# KiCad board jetson-agx-thor-baseboard.kicad_pcb (continued)
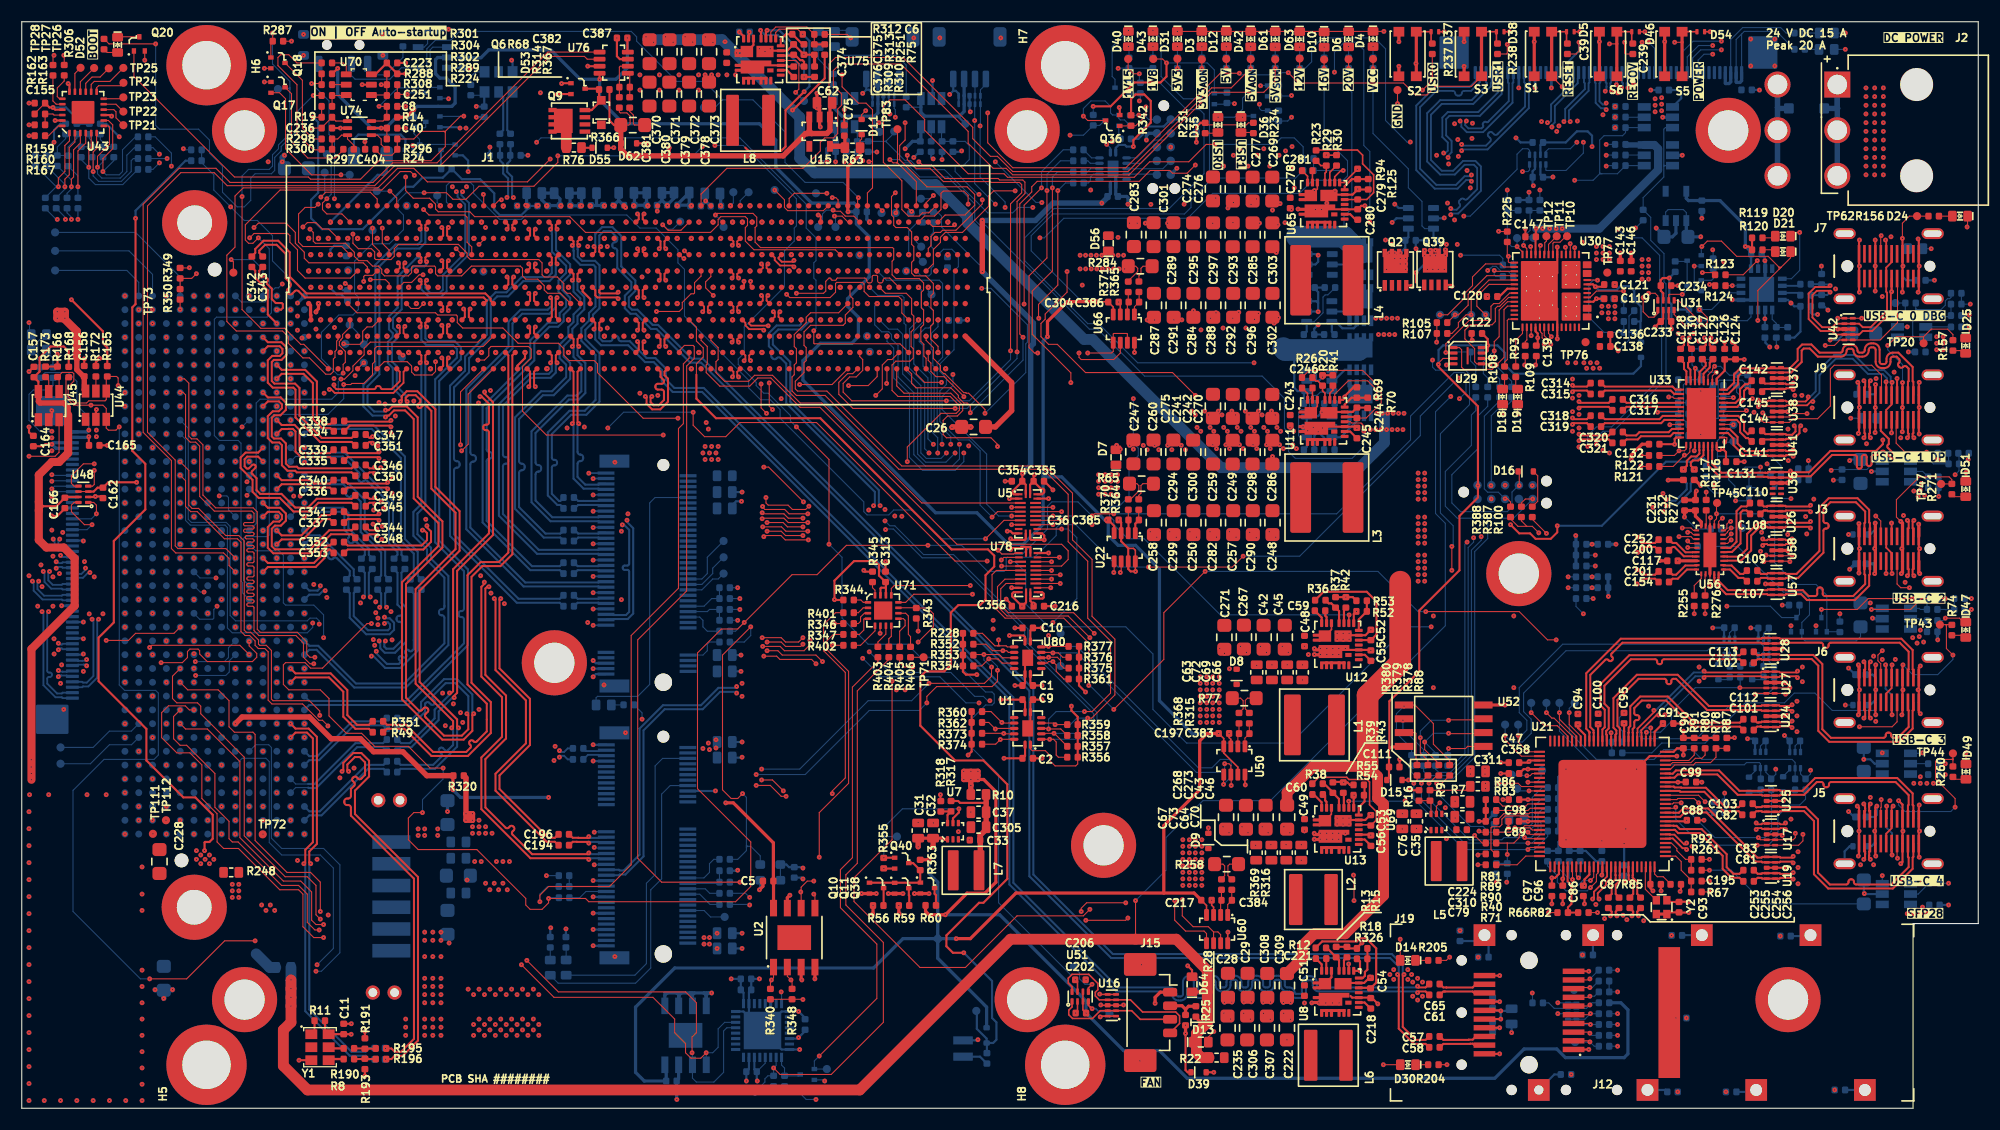
[diagram p0: board, top side]
## Routing (per net, layer and track width the routed paths; a pad name or vN(x,y) marks a point on that pad's centre or on a via; arc(x,y) is an arc through that point) (continued)
/M.2/M2_E.W_DIS_1: length 71.5
  Top w0.1: U5.19 v1(94.87,55.31)
  In5.Cu w0.1: v1(94.87,55.31) 95.37,55.81 95.37,59.16 94.62,59.91 90.17,59.91 89.77,59.51 89.77,52.41 89.37,52.01 89.37,51.11 89.57,50.91 89.57,50.41 89.77,50.21 89.77,44.51 v1(89.37,44.11)
  In7.Cu w0.1: v1(89.37,44.11) 89.07,44.41 81.57,44.41 79.92,42.76 78.12,42.76 75.97,40.61 75.97,38.81 74.77,37.61 74.77,31.21 70.27,26.71 70.27,19.81 69.17,18.71 v1(66.97,18.71)
  Bottom w0.1: v1(66.97,18.71) 66.92,18.76 R264.2
/M.2/M2_E.W_DIS_2: length 72.8
  Top w0.1: U5.18 v1(95.67,54.91)
  In5.Cu w0.1: v1(95.67,54.91) 95.67,59.46 94.77,60.36 90.07,60.36 88.72,59.01 88.72,53.41 89.12,53.01 89.12,50.96 89.37,50.71 v1(89.37,44.91)
  In7.Cu w0.1: v1(89.37,44.91) 89.17,44.71 81.45,44.71 79.96,43.22 78.18,43.22 75.56,40.6 75.56,38.82 74.52,37.78 74.52,31.71 69.97,27.16 69.97,20.21 69.17,19.41 v1(66.97,19.41)
  Bottom w0.1: v1(66.97,19.41) 66.59,19.78 R226.2
/M.2/M2_E_PET0_N: length 3.7
  Top w0.19: v1(52.17,25) 52.05,24.89 51.22,24.89 51.21,24.9 50.69,24.9 50.37,25.21 C196.2
  Bottom w0.19: v1(52.17,25) 52.28,24.89 53.09,24.89 53.16,24.95 J14.35
/M.2/M2_E_PET0_P: length 3.7
  Top w0.19: v1(52.17,24.4) 52.05,24.52 51.08,24.52 51.07,24.53 50.69,24.53 50.37,24.21 C194.2
  Bottom w0.19: v1(52.17,24.4) 52.28,24.52 53.09,24.52 53.16,24.45 J14.37
/M.2/M2_E_SUSCLK: length 4.1
  Bottom w0.1: R223.1 63.67,22.91 63.27,22.51 63.27,21.71 62.76,21.2 J14.50
/M.2/M2_E_W_DIS_1: length 3.3
  Bottom w0.1: R264.1 63.32,18.76 62.38,19.7 J14.56
/M.2/M2_E_W_DIS_2: length 3.1
  Bottom w0.1: R226.1 63.29,19.78 62.88,20.2 J14.54
/M.2/M2_M_PET0_N: length 3.1
  Bottom w0.19: C185.2 50.82,47.21 51.14,46.9 53.06,46.9 53.13,46.96 J13.47
/M.2/M2_M_PET0_P: length 3.1
  Bottom w0.19: J13.49 53.13,46.46 53.06,46.53 51.14,46.53 50.82,46.21 C181.2
/M.2/M2_M_PET1_N: length 3.1
  Bottom w0.19: C186.2 50.82,49.21 51.14,49.53 53.06,49.53 53.13,49.46 J13.37
/M.2/M2_M_PET1_P: length 3.1
  Bottom w0.19: J13.35 53.13,49.96 53.06,49.9 51.14,49.9 50.82,50.21 C182.2
/M.2/M2_M_PET2_N: length 3.1
  Bottom w0.19: J13.25 53.13,52.46 53.06,52.53 51.19,52.53 50.87,52.21 50.85,52.21
/M.2/M2_M_PET2_P: length 3.1
  Bottom w0.19: 50.85,53.21 50.87,53.21 51.19,52.9 53.06,52.9 53.13,52.96 J13.23
/M.2/M2_M_PET3_N: length 3.1
  Bottom w0.19: 50.85,56.21 50.87,56.21 51.19,55.9 51.73,55.9 51.73,55.9 53.06,55.9 53.13,55.96 53.75,55.96
/M.2/M2_M_PET3_P: length 3.1
  Bottom w0.19: 50.85,55.21 50.87,55.21 51.19,55.53 51.87,55.53 53.06,55.53 53.13,55.46 53.75,55.46
/M.2/M2_M_SMB_CLK: length 5.6
  Bottom w0.1: J13.40 62.57,48.71 63.07,49.21 63.07,50.71 TP38.1
/M.2/M2_M_SMB_DATA: length 4.6
  Bottom w0.1: J13.42 62.57,48.21 63.57,49.21 63.57,49.71 TP37.1
/M.2/M2_M_SUSCLK: length 3.7
  Bottom w0.1: R212.1 63.27,42.91 63.07,42.71 63.07,42.11 62.67,41.71 J13.68
/M.2/PCIe_{C1x1}.CLK+: length 73.9
  In7.Cu w0.15: v1(78.97,55.46) 78.81,55.3 78.81,52.25 70.51,43.95 70.51,40.47 69.03,38.99 68.05,38.99 67.43,38.37 65.93,38.37 v1(65.77,38.21)
  Bottom w0.19: v1(72.6,72.56) 71.72,71.68 69.6,71.68 69.1,71.18 69.1,70.29 70.7,68.69 70.7,65.04 78.85,56.89 78.85,55.58 v1(78.97,55.46) ; v1(65.77,38.21) 65.65,38.33 64.25,38.33 62.65,36.73 59.15,36.73 57.2,34.78 57.2,23.18 55.54,21.52 55.01,21.52 54.94,21.45 J14.49
/M.2/PCIe_{C1x1}.CLK-: length 73.9
  In7.Cu w0.15: v1(78.37,55.46) 78.53,55.3 78.53,52.37 70.23,44.07 70.23,40.59 68.91,39.27 67.93,39.27 67.31,38.65 65.93,38.65 v1(65.77,38.81)
  Bottom w0.19: J14.47 54.94,21.95 55.01,21.89 55.38,21.89 56.83,23.34 56.83,34.94 58.99,37.1 62.49,37.1 64.09,38.7 65.65,38.7 v1(65.77,38.81) ; v1(78.37,55.46) 78.48,55.58 78.48,56.73 70.33,64.88 70.33,68.53 69.82,69.05 arc(69.65,69.12) 69.48,69.05 69.43,69 arc(69.26,68.93) 69.09,69 69.01,69.09 arc(68.94,69.26) 69.01,69.43 69.05,69.47 arc(69.12,69.64) 69.05,69.81 68.73,70.13 68.73,71.34 69.44,72.05 71.56,72.05 71.7,72.18 v1(71.7,72.56)
/M.2/PCIe_{C1x1}.RX0+: length 77.4
  Top w0.19: v1(42.98,48) 42.82,48 42.65,47.83 42.65,39.89 44.55,37.99 44.55,34.03 42.65,32.13 42.65,27.69 44.51,25.83 arc(44.66,25.77) 44.8,25.83 44.92,25.95 arc(45.06,26) 45.2,25.95 45.27,25.88 arc(45.33,25.73) 45.27,25.59 45.15,25.47 arc(45.09,25.33) 45.15,25.19 46.96,23.39 52.05,23.39 v1(52.17,23.5) ; v1(57.25,70.56) 57.14,70.45 57.14,69.83 J1.B33
  In7.Cu w0.15: v1(42.98,48) 42.98,48.23 43.21,48.45 43.21,62.05 45.53,64.37 48.23,64.37 49.51,65.65 49.51,66.95 50.93,68.37 52.03,68.37 52.7,69.05 arc(52.8,69.09) 52.9,69.05 53.11,68.84 arc(53.21,68.8) 53.31,68.84 53.36,68.89 arc(53.4,68.99) 53.36,69.09 53.15,69.29 arc(53.11,69.39) 53.15,69.49 53.2,69.54 arc(53.3,69.58) 53.39,69.54 53.57,69.37 arc(53.67,69.33) 53.77,69.37 53.81,69.42 arc(53.86,69.52) 53.81,69.62 53.64,69.79 arc(53.6,69.89) 53.64,69.99 54.31,70.65 54.31,71.15 55.01,71.85 55.01,72.55 55.53,73.07 56.71,73.07 58.03,71.75 58.03,70.47 57.51,69.95 57.33,69.95 57.09,70.19 57.09,70.4 v1(57.25,70.56)
  Bottom w0.19: J14.41 53.16,23.45 53.09,23.39 52.28,23.39 v1(52.17,23.5)
/M.2/PCIe_{C1x1}.RX0-: length 77.4
  Top w0.19: J1.B32 56.77,69.83 56.77,70.45 v1(56.65,70.56) ; v1(42.56,48.42) 42.56,48.26 42.28,47.99 42.28,39.73 44.18,37.83 44.18,34.19 42.28,32.29 42.28,27.53 46.8,23.02 52.05,23.02 v1(52.17,22.9)
  In7.Cu w0.15: v1(42.56,48.42) 42.79,48.42 42.93,48.57 42.93,62.17 45.41,64.65 48.11,64.65 49.23,65.77 49.23,67.07 50.81,68.65 51.91,68.65 54.03,70.77 54.03,71.27 54.73,71.97 54.73,72.67 55.41,73.35 56.83,73.35 58.31,71.87 58.31,70.35 57.63,69.67 57.21,69.67 56.81,70.07 56.81,70.4 v1(56.65,70.56)
  Bottom w0.19: v1(52.17,22.9) 52.28,23.02 53.09,23.02 53.16,22.95 J14.43
/M.2/PCIe_{C1x1}.TX0+: length 73
  Top w0.19: v1(59.25,76.21) 59.14,76.33 59.14,76.8 J1.G35 ; C194.1 49.36,24.21 49.05,24.53 48.29,24.53 43.58,29.23 43.58,30.79 46.38,33.59 46.38,37.53 43.58,40.33 43.58,46.8 v1(43.47,46.91)
  In7.Cu w0.15: v1(43.47,46.91) 43.63,46.75 43.63,46.57 43.41,46.35 42.83,46.35 42.51,46.66 arc(42.48,46.75) 42.51,46.84 arc(42.55,46.94) 42.51,47.03 42.45,47.09 arc(42.36,47.13) 42.27,47.09 arc(42.17,47.05) 42.08,47.09 41.71,47.47 41.71,61.95 45.23,65.47 47.73,65.47 48.51,66.25 48.51,67.07 47.91,67.67 47.91,68.55 49.73,70.37 50.13,70.37 51.53,71.77 52.03,71.77 53.53,73.27 54.73,73.27 56.53,75.07 57.41,75.07 57.71,74.77 58.63,74.77 59.09,75.23 59.09,76.05 v1(59.25,76.21)
/M.2/PCIe_{C1x1}.TX0-: length 73
  Top w0.19: J1.G34 58.77,76.8 58.77,76.33 v1(58.65,76.21) ; C196.1 49.36,25.21 49.05,24.9 48.45,24.9 43.95,29.39 43.95,30.63 46.75,33.43 46.75,37.69 43.95,40.49 43.95,46.8 v1(44.07,46.91)
  In7.Cu w0.15: v1(44.07,46.91) 43.91,46.75 43.91,46.45 43.53,46.07 42.71,46.07 41.43,47.35 41.43,62.07 45.11,65.75 47.61,65.75 48.23,66.37 48.23,66.95 47.63,67.55 47.63,68.67 49.61,70.65 50.01,70.65 51.41,72.05 51.91,72.05 53.41,73.55 54.61,73.55 56.41,75.35 57.53,75.35 57.83,75.05 58.51,75.05 58.81,75.35 58.81,76.05 v1(58.65,76.21)
/M.2/PCIe_{C1x1}.~{CLKREQ}: length 62.2
  Top w0.1: v1(47.67,19.01) 47.67,19.61 48.47,20.41 54.07,20.41 56.07,22.41 56.07,43.51 60.42,47.86 60.42,62.56 60.87,63.01 60.87,68.51 61.4,69.04 J1.B37
  Bottom w0.1: R215.1 48.37,20.41 47.67,19.71 v1(47.67,19.01)
/M.2/PCIe_{C1x1}.~{RST}: length 62.3
  Top w0.1: J1.B36 60.5,69.74 60.97,70.21 61.77,70.21 61.87,70.11 61.87,69.01 61.17,68.31 61.17,47.61 56.67,43.11 56.67,23.01 58.87,20.81 v1(66.07,20.81)
  Bottom w0.1: v1(66.07,20.81) R214.1
/M.2/PCIe_{C5x4}.CLK+: length 63.7
  Top w0.19: J1.F32 56.77,75.3 56.77,74.73 v1(56.65,74.61)
  In5.Cu w0.15: v1(55.26,53.7) 55.49,53.7 55.81,53.37 57.93,53.37 58.61,54.05 58.61,56.97 57.71,57.87 57.71,62.95 59.81,65.05 59.81,68.25 61.63,70.07 62.33,70.07 64.31,72.05 64.31,72.95 65.13,73.77 65.73,73.77 67.91,75.95 67.91,77.17 66.81,78.27 66.81,79.67 65.63,80.85 59.11,80.85 57.93,79.67 57.93,79.17 57.53,78.77 57.53,78.15 58.03,77.65 58.03,76.67 56.81,75.45 56.81,74.77 v1(56.65,74.61)
  Bottom w0.19: v1(55.26,53.7) 55.42,53.7 55.88,53.23 55.88,50.11 arc(55.84,50) 55.72,49.95 55.46,49.95 arc(55.34,49.9) 55.3,49.79 55.3,49.71 arc(55.34,49.6) 55.46,49.55 55.72,49.55 arc(55.84,49.5) 55.88,49.39 55.88,45.69 55.59,45.4 54.44,45.4 54.38,45.46 J13.53
/M.2/PCIe_{C5x4}.CLK-: length 63.7
  Top w0.19: J1.F33 57.14,75.3 57.14,74.73 v1(57.25,74.61)
  In5.Cu w0.15: v1(57.25,74.61) 57.09,74.77 57.09,75.33 58.31,76.55 58.31,77.77 57.81,78.27 57.81,78.65 58.21,79.05 58.21,79.55 59.23,80.57 62.38,80.57 arc(62.49,80.53) 62.54,80.41 62.54,80.2 arc(62.58,80.09) 62.7,80.04 62.78,80.04 arc(62.89,80.09) 62.94,80.2 62.94,80.41 arc(62.98,80.53) 63.1,80.57 63.18,80.57 arc(63.29,80.53) 63.34,80.41 63.34,80.2 arc(63.38,80.09) 63.5,80.04 63.58,80.04 arc(63.69,80.09) 63.74,80.2 63.74,80.41 arc(63.78,80.53) 63.9,80.57 65.51,80.57 66.53,79.55 66.53,78.15 67.63,77.05 67.63,76.07 65.61,74.05 65.01,74.05 64.03,73.07 64.03,72.17 62.21,70.35 61.51,70.35 59.53,68.37 59.53,65.17 57.43,63.07 57.43,57.75 58.33,56.85 58.33,54.17 57.81,53.65 55.93,53.65 55.68,53.89 v1(55.68,54.12)
  Bottom w0.19: v1(55.68,54.12) 55.68,53.96 56.25,53.39 56.25,45.53 55.75,45.03 54.44,45.03 54.38,44.96 53.75,44.96
/M.2/PCIe_{C5x4}.RX0+: length 43.4
  Top w0.19: v1(48.65,74.61) 48.77,74.5 48.77,72.83 J1.D24
  Bottom w0.19: v1(48.65,74.61) 48.77,74.5 48.77,73.87 48.39,73.5 45.89,73.5 44.78,72.39 44.78,70.09 40.9,66.2 40.9,53.29 46.17,48.03 53.06,48.03 53.13,47.96 J13.43
/M.2/PCIe_{C5x4}.RX0-: length 43.4
  Top w0.19: v1(49.25,74.61) 49.14,74.5 49.14,72.83 J1.D25
  Bottom w0.19: v1(49.25,74.61) 49.14,74.5 49.14,73.71 48.55,73.13 46.05,73.13 45.15,72.23 45.15,69.93 41.27,66.05 41.27,60.35 arc(41.34,60.18) 41.51,60.11 41.54,60.11 arc(41.71,60.04) 41.78,59.87 41.78,59.75 arc(41.71,59.58) 41.54,59.51 41.51,59.51 arc(41.34,59.44) 41.27,59.27 41.27,53.45 46.32,48.4 53.06,48.4 53.13,48.46 53.75,48.46
/M.2/PCIe_{C5x4}.RX1+: length 29.6
  Top w0.19: v1(49.25,68.61) 49.14,68.73 49.14,69.3 J1.B25
  Bottom w0.19: v1(49.25,68.61) 49.14,68.5 49.14,67.71 48.65,67.23 46.85,67.23 44.27,64.65 44.27,60.16 arc(44.34,59.99) 44.51,59.92 44.54,59.92 arc(44.71,59.85) 44.78,59.68 44.78,59.56 arc(44.71,59.39) 44.54,59.32 44.51,59.32 arc(44.34,59.25) 44.27,59.08 44.27,54.69 47.56,51.4 53.06,51.4 53.13,51.46 J13.29
/M.2/PCIe_{C5x4}.RX1-: length 29.6
  Top w0.19: J1.B24 48.77,69.3 48.77,68.73 v1(48.65,68.61)
  Bottom w0.19: 53.75,50.96 53.13,50.96 53.06,51.03 47.41,51.03 43.9,54.54 43.9,64.8 46.69,67.6 48.49,67.6 48.77,67.87 48.77,68.5 v1(48.65,68.61)
/M.2/PCIe_{C5x4}.RX2+: length 25.8
  Top w0.19: J1.C27 51.14,70.8 51.14,70.23 v1(51.25,70.11)
  Bottom w0.19: v1(51.25,70.11) 51.14,70 51.14,69.31 51.85,68.59 51.85,65.83 51.25,65.23 50.35,65.23 47.27,62.15 47.27,59.44 arc(47.34,59.27) 47.51,59.2 47.54,59.2 arc(47.71,59.13) 47.78,58.96 47.78,58.84 arc(47.71,58.67) 47.54,58.6 47.51,58.6 arc(47.34,58.53) 47.27,58.36 47.27,55.93 48.81,54.4 53.06,54.4 53.13,54.46 53.75,54.46
/M.2/PCIe_{C5x4}.RX2-: length 25.8
  Top w0.19: v1(50.65,70.11) 50.77,70.23 50.77,70.8 J1.C26
  Bottom w0.19: v1(50.65,70.11) 50.77,70 50.77,69.15 51.48,68.43 51.48,65.99 51.09,65.6 50.19,65.6 46.9,62.3 46.9,55.78 48.65,54.03 53.06,54.03 53.13,53.96 53.75,53.96
/M.2/PCIe_{C5x4}.RX3+: length 13.7
  Top w0.19: J1.A26 50.77,67.8 50.77,63.13 v1(50.65,63.01)
  Bottom w0.19: 53.75,56.96 53.13,56.96 53.06,57.03 51.69,57.03 50.77,57.95 50.77,62.9 v1(50.65,63.01)
/M.2/PCIe_{C5x4}.RX3-: length 13.7
  Top w0.19: J1.A27 51.14,67.8 51.14,63.13 v1(51.25,63.01)
  Bottom w0.19: J13.5 53.13,57.46 53.06,57.4 51.84,57.4 51.14,58.11 51.14,59.32 arc(51.21,59.49) 51.38,59.56 51.41,59.56 arc(51.58,59.63) 51.65,59.8 51.65,59.92 arc(51.58,60.09) 51.41,60.16 51.38,60.16 arc(51.21,60.23) 51.14,60.4 51.14,62.9 v1(51.25,63.01)
/M.2/PCIe_{C5x4}.TX0+: length 45.1
  Top w0.19: v1(48.65,77.71) 48.77,77.83 48.77,78.3 J1.H24
  Bottom w0.19: C181.1 49.81,46.21 49.5,46.53 45.55,46.53 39.4,52.67 39.4,66.5 40.78,67.89 40.78,69.19 42.78,71.19 42.78,74.29 43.59,75.1 44.59,75.1 45.99,76.5 48.39,76.5 48.77,76.87 48.77,77.6 v1(48.65,77.71)
/M.2/PCIe_{C5x4}.TX0-: length 45.1
  Top w0.19: v1(49.25,77.71) 49.14,77.83 49.14,78.3 J1.H25
  Bottom w0.19: C185.1 49.81,47.21 49.5,46.9 45.7,46.9 39.77,52.82 39.77,58.72 arc(39.84,58.89) 40.01,58.96 40.04,58.96 arc(40.21,59.03) 40.28,59.2 40.28,59.32 arc(40.21,59.49) 40.04,59.56 40.01,59.56 arc(39.84,59.63) 39.77,59.8 39.77,66.35 41.15,67.73 41.15,69.03 43.15,71.03 43.15,74.13 43.75,74.73 44.75,74.73 46.15,76.13 48.55,76.13 49.14,76.71 49.14,77.6 v1(49.25,77.71)
/M.2/PCIe_{C5x4}.TX1+: length 42
  Top w0.19: J1.K25 49.14,81.3 49.14,81.03 v1(49.25,80.91)
  Bottom w0.19: v1(49.25,80.91) 49.14,80.8 49.14,80.57 49.15,80.55 49.15,78.99 50.45,77.69 50.45,76.73 49.75,76.03 49.75,75.29 50.45,74.59 50.45,73.63 49.85,73.03 49.85,72.43 49.35,71.93 48.55,71.93 47.15,70.53 47.15,68.83 42.77,64.45 42.77,60.64 arc(42.84,60.47) 43.01,60.4 43.04,60.4 arc(43.21,60.33) 43.28,60.16 43.28,60.04 arc(43.21,59.87) 43.04,59.8 43.01,59.8 arc(42.84,59.73) 42.77,59.56 42.77,54.07 46.94,49.9 49.5,49.9 49.81,50.21 C182.1
/M.2/PCIe_{C5x4}.TX1-: length 42
  Top w0.19: v1(48.65,80.91) 48.77,81.03 48.77,81.3 J1.K24
  Bottom w0.19: v1(48.65,80.91) 48.77,80.8 48.77,80.43 48.78,80.41 48.78,78.83 50.08,77.53 50.08,76.89 49.38,76.19 49.38,75.13 50.08,74.43 50.08,73.79 49.48,73.19 49.48,72.59 49.19,72.3 48.39,72.3 46.78,70.69 46.78,68.99 42.4,64.6 42.4,53.91 46.79,49.53 49.5,49.53 49.81,49.21 C186.1
/M.2/PCIe_{C5x4}.TX2+: length 31.6
  Top w0.19: v1(51.25,76.21) 51.14,76.33 51.14,76.8 J1.G27
  Bottom w0.19: v1(51.25,76.21) 51.14,76.1 51.14,75.31 51.75,74.69 51.75,73.53 51.14,72.91 51.14,72.21 50.65,71.73 50.65,70.93 49.85,70.13 49.85,69.19 50.45,68.59 50.45,67.13 48.95,65.63 47.95,65.63 45.75,63.43 45.75,59.56 arc(45.82,59.39) 45.99,59.32 46.03,59.32 arc(46.2,59.25) 46.27,59.08 46.27,58.96 arc(46.2,58.79) 46.03,58.72 45.99,58.72 arc(45.82,58.65) 45.75,58.48 45.75,55.33 48.18,52.9 49.55,52.9 49.86,53.21
/M.2/PCIe_{C5x4}.TX2-: length 31.6
  Top w0.19: J1.G26 50.77,76.8 50.77,76.33 v1(50.65,76.21)
  Bottom w0.19: 49.86,52.21 49.55,52.53 48.03,52.53 45.38,55.17 45.38,63.59 47.79,66 48.79,66 50.08,67.29 50.08,68.43 49.48,69.03 49.48,70.29 50.28,71.09 50.28,71.89 50.77,72.37 50.77,73.07 51.38,73.69 51.38,74.53 50.77,75.15 50.77,76.1 v1(50.65,76.21)
/M.2/PCIe_{C5x4}.TX3+: length 31.1
  Top w0.19: v1(50.65,79.41) 50.77,79.53 50.77,79.8 J1.J26
  Bottom w0.19: v1(50.65,79.41) 50.77,79.3 50.77,78.93 50.78,78.91 50.78,78.23 51.39,77.63 52.59,77.63 52.78,77.43 52.78,73.79 52.18,73.19 52.18,72.49 51.48,71.79 51.48,70.63 52.78,69.33 52.78,65.19 51.79,64.2 50.39,64.2 48.4,62.2 48.4,56.4 49.27,55.53 49.55,55.53 49.86,55.21
/M.2/PCIe_{C5x4}.TX3-: length 31.1
  Top w0.19: v1(51.25,79.41) 51.14,79.53 51.14,79.8 J1.J27
  Bottom w0.19: 49.86,56.21 49.55,55.9 49.43,55.9 48.77,56.55 48.77,58.97 arc(48.83,59.12) 48.97,59.17 49.05,59.17 arc(49.19,59.23) 49.25,59.37 49.25,59.47 arc(49.19,59.62) 49.05,59.67 48.97,59.67 arc(48.83,59.73) 48.77,59.87 48.77,62.05 50.55,63.83 51.95,63.83 53.15,65.03 53.15,69.49 51.85,70.79 51.85,71.63 52.55,72.33 52.55,73.03 53.15,73.63 53.15,77.59 52.75,78 51.55,78 51.15,78.39 51.15,79.05 51.14,79.07 51.14,79.3 v1(51.25,79.41)
/M.2/PCIe_{C5x4}.~{CLKREQ}: length 73.3
  Top w0.1: v1(44.13,83.61) 43.95,83.61 J1.L19 ; v1(68.52,63.96) 68.02,64.46 v1(68.02,66.66)
  In4.Cu w0.1: v1(44.13,83.61) 44.27,83.61 44.47,83.41 45.37,83.41 46.07,84.11 48.74,84.11 49.04,83.81 62.44,83.81 62.6,83.98 67.95,83.98 68.9,84.93 69.64,84.93 70.19,84.38 70.19,82.78 69.43,82.02 69.43,81.01 70.17,80.28 70.17,79.46 69.27,78.56 69.27,74.51 68.52,73.76 68.52,73.06 69.17,72.41 69.17,71.51 68.92,71.26 68.92,69.21 68.32,68.61 68.32,66.96 v1(68.02,66.66)
  In7.Cu w0.1: v1(68.52,63.96) 70.67,61.81 70.67,49.31 67.27,45.91 v1(66.07,45.91)
  Bottom w0.1: R207.1 v1(66.07,45.91)
/M.2/PCIe_{C5x4}.~{RST}: length 78
  Top w0.1: v1(69.07,64.31) 68.77,64.61 v1(68.77,66.76) ; J1.L18 42.5,84.08 v1(42.47,84.11)
  In4.Cu w0.1: v1(68.77,66.76) 69.32,67.31 69.32,67.61 69.32,67.62 69.32,71.27 69.52,71.46 69.52,72.41 68.77,73.16 68.77,73.66 69.67,74.56 69.67,75.66 70.17,76.16 70.17,78.86 71.02,79.71 71.02,80.41 70.39,81.04 70.39,84.46 69.72,85.13 68.82,85.13 67.87,84.18 48.95,84.18 48.82,84.31 43.67,84.31 43.47,84.11 v1(42.47,84.11)
  In7.Cu w0.1: v1(69.07,64.31) 71.07,62.31 71.07,49.11 67.27,45.31 65.67,45.31 65.47,45.51 65.47,46.71 65.67,46.91 v1(66.07,46.91)
  Bottom w0.1: R206.1 v1(66.07,46.91)
/M.2/SUSCLK: length 31.4
  Top w0.1: v1(66.32,28.96) 65.87,28.51 65.27,28.51 64.47,29.31 64.47,41.71 v1(67.07,44.31)
  Bottom w0.1: 66.67,24.21 66.67,28.61 v1(66.32,28.96) ; 66.67,24.21 66.77,24.11 ; 66.67,24.21 66.67,24.11 ; 66.77,24.11 66.67,24.01 ; 66.77,24.11 66.67,24.11 ; 66.77,24.11 67.07,24.11 67.94,23.24 Y3.3 ; 66.67,24.01 66.67,24.11 ; 66.67,24.01 66.67,23.71 65.87,22.91 R223.2 ; v1(67.07,44.31) 67.07,43.51 66.47,42.91 R212.2
/M.2/USB3.D+: length 74.8
  Top w0.17: J1.G11 35.12,77.34 35.12,77.69 v1(35.25,77.81)
  In7.Cu w0.125: v1(35.25,77.81) 35.06,78 35.06,78.23 34.62,78.67 33.12,78.67 30.01,75.56 30.01,62.01 27.81,59.81 27.81,50.31 30.51,47.61 30.51,39.71 33.21,37.01 33.21,34.61 37.17,30.65 43.17,30.65 43.87,31.35 50.12,31.35 50.58,31.81 50.58,32.26 50.11,32.73 49.66,32.73 v1(49.47,32.92)
  Bottom w0.17: v1(49.47,32.92) 49.59,32.79 49.9,32.79 50.23,33.12 R218.1
/M.2/USB3.D-: length 74.8
  Top w0.17: J1.G10 34.78,77.34 34.78,77.69 v1(34.65,77.81)
  In7.Cu w0.125: v1(34.65,77.81) 34.84,78 34.84,78.13 34.52,78.45 34.11,78.45 arc(34.01,78.41) 33.97,78.31 33.97,77.94 arc(33.93,77.84) 33.83,77.8 33.76,77.8 arc(33.66,77.84) 33.62,77.94 33.62,78.31 arc(33.58,78.41) 33.48,78.45 33.22,78.45 30.23,75.46 30.23,61.91 28.03,59.71 28.03,50.41 30.73,47.71 30.73,39.81 33.43,37.11 33.43,34.71 37.27,30.87 43.07,30.87 43.77,31.57 48.13,31.57 arc(48.21,31.61) 48.25,31.69 48.25,31.96 arc(48.28,32.04) 48.37,32.08 48.43,32.08 arc(48.51,32.04) 48.55,31.96 48.55,31.69 arc(48.58,31.61) 48.67,31.57 50.02,31.57 50.36,31.91 50.36,32.16 50.02,32.5 49.66,32.5 v1(49.47,32.32)
  Bottom w0.17: R219.1 50.23,32.11 49.9,32.44 49.59,32.44 v1(49.47,32.32)
/M.2/WIFI_BT_USB_D_N: length 2.3
  Bottom w0.17: R219.2 52.09,32.53 53.08,32.53 53.16,32.45 53.78,32.45
/M.2/WIFI_BT_USB_D_P: length 2.2
  Bottom w0.17: R218.2 51.91,32.88 53.08,32.88 53.16,32.95 53.78,32.95
/M.2/~{CLKREQ_E}: length 4.4
  Bottom w0.1: R220.1 R215.2 53.74,20.41 J14.53
/M.2/~{CLKREQ_M}: length 4
  Bottom w0.1: R210.2 R207.2 63.27,45.91 63.07,45.71 J13.52
/M.2/~{LED_1}: length 29.7
  Bottom w0.1: D33.1 56.41,12.25 57.47,13.31 57.47,20.71 58.27,21.51 58.27,31.51 58.96,32.2 J14.6
/M.2/~{LED_2}: length 29.3
  Bottom w0.1: J14.16 59.66,29.7 58.87,28.91 58.87,21.11 57.87,20.11 57.87,12.91 56.47,11.51 49.35,11.51 D34.1
/M.2/~{M2_E_ALERT}: length 3.6
  Bottom w0.1: TP39.1 63.37,17.61 62.78,18.2 J14.62
/M.2/~{M2_M_ALERT}: length 3.9
  Bottom w0.1: J13.44 62.57,47.71 63.57,48.71 64.07,48.71 TP36.1
/M.2/~{PERST_E}: length 4
  Bottom w0.1: R203.1 R214.2 64.08,20.7 J14.52
/M.2/~{PERST_M}: length 4.2
  Bottom w0.1: J13.50 62.77,46.21 63.47,46.91 R206.2 R209.2
/M.2/~{PEWAKE_E}: length 3.6
  Bottom w0.1: R216.2 51.34,19.38 51.91,19.95 J14.55
/M.2/~{PEWAKE_M}: length 3.8
  Bottom w0.1: J13.54 62.37,45.21 62.67,44.91 62.67,44.31 63.07,43.91 R208.2
/M.2/~{PEWAKE}: length 271.8
  Top w0.1: J1.A8 33.35,68.71 35.47,68.71 35.87,68.31 35.87,67.76 36.14,67.49 37.74,67.49 38.07,67.81 v1(38.07,68.71) ; v1(103.67,49.81) 111.37,49.81 v1(112.37,50.81) ; v1(83.37,51.81) 75.87,51.81 73.17,49.11 70.87,49.11 v1(66.47,44.71) 65.87,44.11 64.37,44.11 62.17,41.91 62.17,29.41 67.07,24.51 67.07,20.41 65.67,19.01 52.17,19.01 51.87,19.31 v1(48.47,19.31) 48.47,18.91 47.87,18.31 46.77,18.31 46.37,18.71 46.37,19.31 41.87,23.81 36.47,23.81 35.57,24.71 35.57,26.71 36.07,27.21 v1(36.87,27.21) ; v1(38.77,31.31) 37.57,31.31 35.57,33.31 32.47,33.31 31.27,34.51 29.87,34.51 28.27,36.11 28.27,37.71 27.47,38.51 24.57,38.51 24.07,39.01 24.07,40.81 24.27,41.01 26.07,41.01 26.57,40.51 27.67,40.51 31.77,44.61 v1(32.17,44.61)
  In5.Cu w0.1: v1(156.57,77.91) 151.17,77.91 148.97,80.11 145.47,80.11 139.97,85.61 136.67,85.61 135.57,84.51 135.57,83.01 132.97,80.41 132.97,74.01 132.67,73.71 132.67,67.21 v1(132.17,67.21) ; v1(38.07,68.71) 38.07,67.91 36.97,66.81 36.97,65.41 34.37,62.81 34.37,61.91 33.87,61.41 33.87,59.01 33.27,58.41 33.27,56.71 33.87,56.11 33.87,50.31 30.77,47.21 30.77,46.01 v1(32.17,44.61)
  Bottom w0.1: v1(66.47,44.71) 65.67,43.91 R208.1 ; R216.1 48.54,19.38 v1(48.47,19.31) ; v1(156.57,77.91) 156.57,77.41 156.42,77.26 R286.2 155.61,76.35 155.46,76.2 Q3.1 ; v1(103.67,49.81) 100.87,49.81 96.97,53.71 95.47,53.71 95.17,53.41 95.17,52.71 93.17,50.71 90.67,50.71 90.57,50.61 90.57,49.61 90.37,49.41 88.87,49.41 86.47,51.81 v1(83.37,51.81) ; v1(132.17,67.21) 128.67,63.71 128.67,61.91 117.57,50.81 v1(112.37,50.81) ; v1(36.87,27.21) 36.87,28.41 38.77,30.31 v1(38.77,31.31)
/Peripherals/FAN_PWM: length 142.4
  Top w0.1: v1(71.27,62.71) 74.27,59.71 v1(74.27,51.91) ; v1(81.27,90.71) 81.27,89.11 80.77,88.61 80.77,87.31 83.27,84.81 86.97,84.81 87.67,84.11 87.67,83.11 86.77,82.21 84.95,82.21 J1.K62
  Top w0.15: U51.5 98.13,11.07 v1(98.47,11.41)
  In5.Cu w0.1: v1(81.27,90.71) 80.87,90.31 77.27,90.31 76.67,90.91 66.07,90.91 v1(63.77,88.61)
  Bottom w0.1: 97.32,12.31 97.32,12.46 TP89.1 ; 97.32,12.31 96.47,12.31 89.87,18.91 89.87,30.71 87.27,33.31 87.27,35.71 88.67,37.11 89.27,37.11 89.47,37.31 89.47,38.11 89.27,38.31 88.67,38.31 85.47,41.51 82.67,41.51 81.47,42.71 77.87,42.71 75.47,45.11 75.47,50.71 v1(74.27,51.91) ; 97.32,12.31 97.32,11.91 97.82,11.41 v1(98.47,11.41) ; v1(71.27,62.71) 70.72,63.26 70.72,63.76 68.67,65.81 68.27,65.81 67.57,66.51 67.57,66.81 65.92,68.46 65.92,68.96 66.47,69.51 66.47,71.91 70.17,75.61 70.17,78.91 71.07,79.81 71.07,81.01 71.27,81.21 71.27,83.71 66.37,88.61 v1(63.77,88.61)
/Peripherals/FAN_PWM_5V: length 16.3
  Top w0.15: U16.4 102,9.98 103.12,8.86 106.17,8.86 106.52,8.5 106.52,7.81 J15.4 ; U16.7 99.13,9.98 98.77,10.34 98.77,10.68 99,10.91 99,11.49 98.17,12.33 96.63,12.33 96.28,11.97 96.28,11.53 96.63,11.18 U51.8 ; 100.67,9.98 99.9,9.98
/Peripherals/FAN_TACH: length 126
  Top w0.1: v1(80.07,39.31) 80.07,24.71 76.57,21.21 76.57,19.03 82.64,12.96 86.82,12.96 91.57,17.71 97.67,17.71 v1(98.27,18.31)
  Top w0.15: v1(98.48,9.17) 98.31,9.33 98.28,9.33 98.13,9.48 U51.4
  In5.Cu w0.1: v1(76.9,74.06) 76.9,76.14 78.06,77.3 78.06,80.3 78.67,80.91 78.67,82.71 79.29,83.34 81.84,83.34 82.82,82.36 82.82,79.76 83.12,79.46 84.37,79.46 84.82,79.01 84.82,78.26 85.42,77.66 85.42,76.46 84.82,75.86 84.82,74.61 86.62,72.81 86.62,69.73 85.6,68.71 85.3,68.71 85.23,68.64 84.76,68.64 84.7,68.58 84.59,68.58 84.32,68.31 84.32,67.64 85,66.97 85,66.64 84.65,66.29 84.46,66.29 83.82,65.65 83.82,64.76 80.07,61.01 80.07,54.83 79.92,54.68 79.92,54.04 80.07,53.89 v1(80.07,39.31)
  In7.Cu w0.1: v1(98.27,18.31) 98.27,14.91 100.27,12.91 100.27,10.51 99.67,9.91 98.87,9.91 98.48,9.52 v1(98.48,9.17)
  Bottom w0.15: v1(98.48,9.17) 98.81,9.17 99.07,8.91 99.87,8.91 TP90.1
/Peripherals/FAN_TACH_5V: length 11.5
  Top w0.15: U16.9 99.22,8.98 98.51,8.26 96.67,8.26 96.33,8.61 96.33,9.03 96.63,9.33 U51.1 ; 100.67,8.98 99.95,8.98 99.92,9.01 99.9,8.99 99.9,8.98 ; J15.3 102.9,8.19 102.11,8.98 U16.2
/Peripherals/FAN_VDD: length 3.4
  Top w0.3: 107.07,9.11 106.74,9.44 J15.2 105.76,9.32 ; 107.07,9.11 R28.2 107.22,8.59 ; 107.07,9.11 107.35,9.39 R25.2
/Peripherals/GPIO_EXP_IRQ: length 32.5
  Top w0.1: U5.14 v1(95.67,53.31) ; U71.11 82.28,46.06 R343.1 83.34,46.04 83.87,45.51 83.87,44.31 v1(82.47,42.91)
  In7.Cu w0.1: v1(82.47,42.91) 89.07,42.91 90.87,44.71 v1(94.87,44.71)
  Bottom w0.1: v1(95.67,53.31) 96.27,53.31 97.07,52.51 97.07,46.91 v1(94.87,44.71)
/Peripherals/GPIOEX_P0_0: length 1.5
  Top w0.1: R401.1 76.97,45.61 77.42,46.06 U71.2
/Peripherals/GPIOEX_P0_1: length 2
  Top w0.1: R346.1 76.97,44.61 77.17,44.81 77.17,45.21 77.52,45.56 U71.3 77.8,45.51
/Peripherals/GPIOEX_P0_2: length 2.5
  Top w0.1: R347.1 77.07,43.61 77.47,44.01 77.47,45.01 77.52,45.06 U71.4
/Peripherals/GPIOEX_P0_3: length 3
  Top w0.1: R402.1 77.17,42.61 78.5,43.94 U71.5
/Peripherals/GPIOEX_P0_4: length 2.2
  Top w0.1: U71.7 79.5,43.64 78.77,42.91 R403.1
/Peripherals/GPIOEX_P0_5: length 2
  Top w0.1: R404.1 79.77,43.21 80,43.44 U71.8
/Peripherals/GPIOEX_P0_6: length 3.3
  Top w0.1: U71.9 81.12,45.06 81.27,44.91 81.27,44.41 80.77,43.91 R405.1
/Peripherals/GPIOEX_P0_7: length 3.9
  Top w0.1: R406.1 81.77,43.41 81.57,43.61 81.57,45.31 81.32,45.56 U71.10
/Peripherals/I2C_CONN1_3V3: length 12.4
  Bottom w0.1: R242.2 74.67,92.11 74.72,92.06
  Bottom w0.2: TP93.1 78.44,90.34 78.44,91.28 78.47,91.31
  Bottom w0.3: U53.1 74.72,92.06 75.47,91.31 78.47,91.31 78.77,91.61 U67.4 U67.7 78.77,94.66 J16.2
/Peripherals/I2C_CONN2_3V3: length 10.9
  Bottom w0.1: 82.72,92.11 82.7,92.13 R246.2
  Bottom w0.2: TP94.1 86.27,91.16 86.27,91.31
  Bottom w0.3: U55.1 82.72,91.66 83.07,91.31 86.27,91.31 86.7,91.74 U68.4 U68.7 86.7,93.19 J17.2
/Peripherals/I2C_CONN_PEN: length 75.2
  Top w0.1: v1(81.97,40.61) 81.17,40.61 80.77,41.01 R405.2